# Altium PCB FlatSat.PcbDoc (part 9 of 12)
Units mil, origin at the board's own origin, x right, y up, seen from the top; angles counter-clockwise.
Board outline 4682 x 22047 mil, 4 copper layers (Top Layer, STR GND 1, STR GND 2, Bottom Layer), stack 33.434 mil thick; 381 components, 345 nets, 1605 pads, 1915 vias.
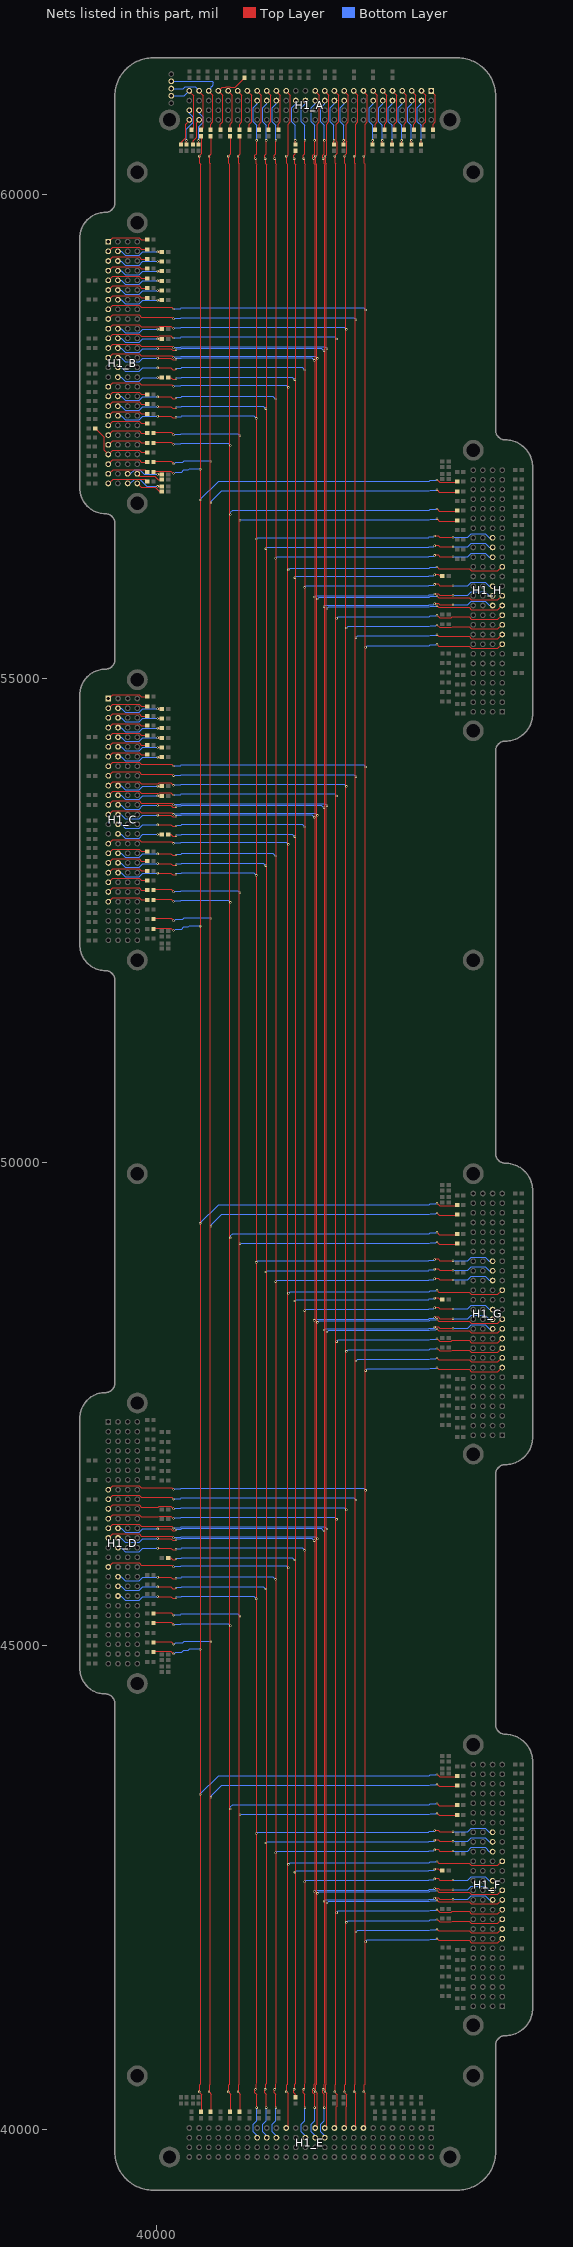
[diagram p11: the nets of this part, all layers, seen from the top]

## Via types
v1: diameter 24, hole 8, Top Layer to Bottom Layer, 1915 vias

## Nets (pads, with @x,y where several pads share a name; then routed paths per layer and width w, separated by ;. In a path a pad name is that pad's centre, name@x,y a point inside that pad or via, vN(x,y) a via of type N, cw(c..) or ccw(c..) an arc to the next point about the centre after c; other vN are vias at no path point) (continued)
GPIO_RESERVE_3: H1_A.31 H1_B.31 H1_C.31 H1_D.31 H1_E.31 H1_F.31 H1_G.31 H1_H.31 | length 33612.7
  Top Layer w8: H1_D.31@39500.48,45812 39543.01,45854.53 39818.1,45854.53 39840.62,45832 40156,45832 v1(40173,45815) ; H1_C.31@39500.48,53292 39543.01,53334.53 39818.1,53334.53 39840.62,53312 40156,53312 v1(40173,53295) ; H1_B.31@39500.48,58017 39542.01,58058.53 39819.1,58058.53 39840.62,58037 40156,58037 v1(40173,58020) ; H1_E.31@41337,40012 41357,40032 41357,40369 v1(41340,40386) 41340,40395 41345,40400 41345,40458.78 41352,40465.78 41352,60321.22 41345,60328.22 41345,60387 41340,60392 v1(41340,60401) 41357,60418 41357,60733.38 41378.53,60754.9 41378.53,61031.99 H1_A.31@41337,61073.52 ; v1(42898,42768) 42915,42751 43230.38,42751 43252.9,42728.47 43527.99,42728.47 H1_F.31@43570.52,42771 ; v1(42898,48673) 42915,48656 43230.38,48656 43252.9,48633.47 43527.99,48633.47 H1_G.31@43570.52,48676 ; v1(42898,56153) 42915,56136 43230.38,56136 43252.9,56113.47 43527.99,56113.47 H1_H.31@43570.52,56156
  Bottom Layer w8: v1(40173,45815) 40182,45815 40187,45820 40245.78,45820 40252.78,45827 41338,45827 v1(41360,45805) ; v1(40173,53295) 40182,53295 40187,53300 40245.78,53300 40252.78,53307 41338,53307 v1(41360,53285) ; v1(40173,58020) 40182,58020 40187,58025 40245.78,58025 40252.78,58032 41338,58032 v1(41360,58010) ; v1(41360,42738) 41378,42756 42818.22,42756 42825.22,42763 42884,42763 42889,42768 v1(42898,42768) ; v1(41360,48643) 41378,48661 42818.22,48661 42825.22,48668 42884,48668 42889,48673 v1(42898,48673) ; v1(41360,56123) 41378,56141 42818.22,56141 42825.22,56148 42884,56148 42889,56153 v1(42898,56153)
GPIO_RESERVE_4: H1_A.24 H1_B.24 H1_C.24 H1_D.24 H1_E.24 H1_F.24 H1_G.24 H1_H.24 | length 33123.8
  Top Layer w8: v1(40009,46207) 40146,46207 40163,46190 40193,46190 v1(40198,46195) ; v1(40009,53687) 40146,53687 40163,53670 40193,53670 v1(40198,53675) ; v1(40009,58412) 40146,58412 40163,58395 40193,58395 v1(40198,58400) ; v1(41732,40222) 41732,40359 41715,40376 41715,40406 v1(41720,40411) 41729,40420 41729,40465.41 41736,40472.41 41736,60314.59 41729,60321.59 41729,60367 v1(41720,60376) 41715,60381 41715,60411 41732,60428 v1(41732,60565) ; v1(42873,42388) 42878,42393 42908,42393 42925,42376 v1(43062,42376) ; v1(42873,48293) 42878,48298 42908,48298 42925,48281 v1(43062,48281) ; v1(42873,55773) 42878,55778 42908,55778 42925,55761 v1(43062,55761)
  Bottom Layer w8: H1_D.24@39598,46212 39631,46212 39672.47,46170.53 39818.53,46170.53 39855,46207 v1(40009,46207) ; H1_C.24@39598,53692 39631,53692 39672.47,53650.53 39818.53,53650.53 39855,53687 v1(40009,53687) ; H1_B.24@39598,58417 39631,58417 39673,58375 39818,58375 39855,58412 v1(40009,58412) ; v1(40198,46195) 40207,46204 40252.41,46204 40259.41,46211 41702,46211 v1(41728,46185) ; v1(40198,53675) 40207,53684 40252.41,53684 40259.41,53691 41702,53691 v1(41728,53665) ; v1(40198,58400) 40207,58409 40252.41,58409 40259.41,58416 41702,58416 v1(41728,58390) ; v1(41728,42358) 41742,42372 42811.59,42372 42818.59,42379 42864,42379 v1(42873,42388) ; v1(41728,48263) 41742,48277 42811.59,48277 42818.59,48284 42864,48284 v1(42873,48293) ; v1(41728,55743) 41742,55757 42811.59,55757 42818.59,55764 42864,55764 v1(42873,55773) ; v1(41732,40222) 41732,40089 41695.47,40052.47 41695.47,39972.53 41737,39931 H1_E.24@41737,39912 ; v1(41732,60565) 41732,60719 41695,60756 41695,60901 41737,60943 H1_A.24@41737,60976 ; v1(43062,42376) 43216,42376 43252.47,42412.47 43398.53,42412.47 43440,42371 H1_F.24@43473,42371 ; v1(43062,48281) 43216,48281 43252.47,48317.47 43398.53,48317.47 43440,48276 H1_G.24@43473,48276 ; v1(43062,55761) 43216,55761 43252.47,55797.47 43398.53,55797.47 43440,55756 H1_H.24@43473,55756
GPIO_RESERVE_5: H1_A.26 H1_B.26 H1_C.26 H1_D.26 H1_E.26 H1_F.26 H1_G.26 H1_H.26 | length 33123.8
  Top Layer w8: v1(40009,46107) 40146,46107 40163,46090 40193,46090 v1(40198,46095) ; v1(40009,53587) 40146,53587 40163,53570 40193,53570 v1(40198,53575) ; v1(40009,58312) 40146,58312 40163,58295 40193,58295 v1(40198,58300) ; v1(41632,40222) 41632,40359 41615,40376 41615,40406 v1(41620,40411) 41629,40420 41629,40465.41 41636,40472.41 41636,60314.59 41629,60321.59 41629,60367 v1(41620,60376) 41615,60381 41615,60411 41632,60428 v1(41632,60565) ; v1(42873,42488) 42878,42493 42908,42493 42925,42476 v1(43062,42476) ; v1(42873,48393) 42878,48398 42908,48398 42925,48381 v1(43062,48381) ; v1(42873,55873) 42878,55878 42908,55878 42925,55861 v1(43062,55861)
  Bottom Layer w8: H1_D.26@39598,46112 39631,46112 39672.47,46070.53 39818.53,46070.53 39855,46107 v1(40009,46107) ; H1_C.26@39598,53592 39631,53592 39672.47,53550.53 39818.53,53550.53 39855,53587 v1(40009,53587) ; H1_B.26@39598,58317 39631,58317 39673,58275 39818,58275 39855,58312 v1(40009,58312) ; v1(40198,46095) 40207,46104 40252.41,46104 40259.41,46111 41602,46111 v1(41628,46085) ; v1(40198,53575) 40207,53584 40252.41,53584 40259.41,53591 41602,53591 v1(41628,53565) ; v1(40198,58300) 40207,58309 40252.41,58309 40259.41,58316 41602,58316 v1(41628,58290) ; v1(41628,42458) 41642,42472 42811.59,42472 42818.59,42479 42864,42479 v1(42873,42488) ; v1(41628,48363) 41642,48377 42811.59,48377 42818.59,48384 42864,48384 v1(42873,48393) ; v1(41628,55843) 41642,55857 42811.59,55857 42818.59,55864 42864,55864 v1(42873,55873) ; v1(41632,40222) 41632,40089 41595.47,40052.47 41595.47,39972.53 41637,39931 H1_E.26@41637,39912 ; v1(41632,60565) 41632,60719 41595,60756 41595,60901 41637,60943 H1_A.26@41637,60976 ; v1(43062,42476) 43216,42476 43252.47,42512.47 43398.53,42512.47 43440,42471 H1_F.26@43473,42471 ; v1(43062,48381) 43216,48381 43252.47,48417.47 43398.53,48417.47 43440,48376 H1_G.26@43473,48376 ; v1(43062,55861) 43216,55861 43252.47,55897.47 43398.53,55897.47 43440,55856 H1_H.26@43473,55856
GPIO_RESERVE_6: H1_A.28 H1_B.28 H1_C.28 H1_D.28 H1_E.28 H1_F.28 H1_G.28 H1_H.28 | length 33123.8
  Top Layer w8: v1(40009,46007) 40146,46007 40163,45990 40193,45990 v1(40198,45995) ; v1(40009,53487) 40146,53487 40163,53470 40193,53470 v1(40198,53475) ; v1(40009,58212) 40146,58212 40163,58195 40193,58195 v1(40198,58200) ; v1(41532,40222) 41532,40359 41515,40376 41515,40406 v1(41520,40411) 41529,40420 41529,40465.41 41536,40472.41 41536,60314.59 41529,60321.59 41529,60367 v1(41520,60376) 41515,60381 41515,60411 41532,60428 v1(41532,60565) ; v1(42873,42588) 42878,42593 42908,42593 42925,42576 v1(43062,42576) ; v1(42873,48493) 42878,48498 42908,48498 42925,48481 v1(43062,48481) ; v1(42873,55973) 42878,55978 42908,55978 42925,55961 v1(43062,55961)
  Bottom Layer w8: H1_D.28@39598,46012 39631,46012 39672.47,45970.53 39818.53,45970.53 39855,46007 v1(40009,46007) ; H1_C.28@39598,53492 39631,53492 39672.47,53450.53 39818.53,53450.53 39855,53487 v1(40009,53487) ; H1_B.28@39598,58217 39631,58217 39673,58175 39818,58175 39855,58212 v1(40009,58212) ; v1(40198,45995) 40207,46004 40252.41,46004 40259.41,46011 41502,46011 v1(41528,45985) ; v1(40198,53475) 40207,53484 40252.41,53484 40259.41,53491 41502,53491 v1(41528,53465) ; v1(40198,58200) 40207,58209 40252.41,58209 40259.41,58216 41502,58216 v1(41528,58190) ; v1(41528,42558) 41542,42572 42811.59,42572 42818.59,42579 42864,42579 v1(42873,42588) ; v1(41528,48463) 41542,48477 42811.59,48477 42818.59,48484 42864,48484 v1(42873,48493) ; v1(41528,55943) 41542,55957 42811.59,55957 42818.59,55964 42864,55964 v1(42873,55973) ; v1(41532,40222) 41532,40089 41495.47,40052.47 41495.47,39972.53 41537,39931 H1_E.28@41537,39912 ; v1(41532,60565) 41532,60719 41495,60756 41495,60901 41537,60943 H1_A.28@41537,60976 ; v1(43062,42576) 43216,42576 43252.47,42612.47 43398.53,42612.47 43440,42571 H1_F.28@43473,42571 ; v1(43062,48481) 43216,48481 43252.47,48517.47 43398.53,48517.47 43440,48476 H1_G.28@43473,48476 ; v1(43062,55961) 43216,55961 43252.47,55997.47 43398.53,55997.47 43440,55956 H1_H.28@43473,55956
GPIO_RESERVE_7: H1_A.34 H1_B.34 H1_C.34 H1_D.34 H1_E.34 H1_F.34 H1_G.34 H1_H.34 | length 33125.1
  Top Layer w8: v1(40009,45707) 40146,45707 40163,45690 40193,45690 v1(40198,45695) ; v1(40009,53187) 40146,53187 40163,53170 40193,53170 v1(40198,53175) ; v1(40009,57912) 40146,57912 40163,57895 40193,57895 v1(40198,57900) ; v1(41232,40222) 41232,40359 41215,40376 41215,40406 v1(41220,40411) 41229,40420 41229,40465.41 41236,40472.41 41236,56323 41236.01,57900.05 41236,60314.57 ; v1(41232,60565) 41232,60428 41215,60411 41215,60381 v1(41220,60376) 41229,60367 41229,60321.59 41236.01,60314.58 ; v1(42873,42888) 42878,42893 42908,42893 42925,42876 v1(43062,42876) ; v1(42873,48793) 42878,48798 42908,48798 42925,48781 v1(43062,48781) ; v1(42873,56273) 42878,56278 42908,56278 42925,56261 v1(43062,56261)
  Bottom Layer w8: H1_D.34@39598,45712 39631,45712 39672.47,45670.53 39818.53,45670.53 39855,45707 v1(40009,45707) ; H1_C.34@39598,53192 39631,53192 39672.47,53150.53 39818.53,53150.53 39855,53187 v1(40009,53187) ; H1_B.34@39598,57917 39631,57917 39673,57875 39818,57875 39855,57912 v1(40009,57912) ; v1(40198,45695) 40207,45704 40252.41,45704 40259.41,45711 41201,45711 v1@41228,45684 ; v1(40198,53175) 40207,53184 40252.41,53184 40259.41,53191 41201,53191 v1@41228,53164 ; v1(40198,57900) 40207,57909 40252.41,57909 40259.41,57916 41201,57916 v1@41228,57889 ; v1(41228,42858) 41242,42872 42811.59,42872 42818.59,42879 42864,42879 v1(42873,42888) ; v1(41228,48763) 41242,48777 42811.59,48777 42818.59,48784 42864,48784 v1(42873,48793) ; v1(41228,56243) 41242,56257 42811.59,56257 42818.59,56264 42864,56264 v1(42873,56273) ; v1(41232,40222) 41232,40089 41195.47,40052.47 41195.47,39972.53 41237,39931 H1_E.34@41237,39912 ; v1(41232,60565) 41232,60719 41195,60756 41195,60901 41237,60943 H1_A.34@41237,60976 ; v1(43062,42876) 43216,42876 43252.47,42912.47 43398.53,42912.47 43440,42871 H1_F.34@43473,42871 ; v1(43062,48781) 43216,48781 43252.47,48817.47 43398.53,48817.47 43440,48776 H1_G.34@43473,48776 ; v1(43062,56261) 43216,56261 43252.47,56297.47 43398.53,56297.47 43440,56256 H1_H.34@43473,56256
  other v1: 41228,45685 41228,53165 41228,57890
GPIO_RESERVE_8: H1_A.36 H1_B.36 H1_C.36 H1_D.36 H1_E.36 H1_F.36 H1_G.36 H1_H.36 | length 33123.8
  Top Layer w8: v1(40009,45607) 40146,45607 40163,45590 40193,45590 v1(40198,45595) ; v1(40009,53087) 40146,53087 40163,53070 40193,53070 v1(40198,53075) ; v1(40009,57812) 40146,57812 40163,57795 40193,57795 v1(40198,57800) ; v1(41132,40222) 41132,40359 41115,40376 41115,40406 v1(41120,40411) 41129,40420 41129,40465.41 41136,40472.41 41136,60314.59 41129,60321.59 41129,60367 v1(41120,60376) 41115,60381 41115,60411 41132,60428 v1(41132,60565) ; v1(42873,42988) 42878,42993 42908,42993 42925,42976 v1(43062,42976) ; v1(42873,48893) 42878,48898 42908,48898 42925,48881 v1(43062,48881) ; v1(42873,56373) 42878,56378 42908,56378 42925,56361 v1(43062,56361)
  Bottom Layer w8: H1_D.36@39598,45612 39631,45612 39672.47,45570.53 39818.53,45570.53 39855,45607 v1(40009,45607) ; H1_C.36@39598,53092 39631,53092 39672.47,53050.53 39818.53,53050.53 39855,53087 v1(40009,53087) ; H1_B.36@39598,57817 39631,57817 39673,57775 39818,57775 39855,57812 v1(40009,57812) ; v1(40198,45595) 40207,45604 40252.41,45604 40259.41,45611 41102,45611 v1(41128,45585) ; v1(40198,53075) 40207,53084 40252.41,53084 40259.41,53091 41102,53091 v1(41128,53065) ; v1(40198,57800) 40207,57809 40252.41,57809 40259.41,57816 41102,57816 v1(41128,57790) ; v1(41128,42958) 41142,42972 42811.59,42972 42818.59,42979 42864,42979 v1(42873,42988) ; v1(41128,48863) 41142,48877 42811.59,48877 42818.59,48884 42864,48884 v1(42873,48893) ; v1(41128,56343) 41142,56357 42811.59,56357 42818.59,56364 42864,56364 v1(42873,56373) ; v1(41132,40222) 41132,40089 41095.47,40052.47 41095.47,39972.53 41137,39931 H1_E.36@41137,39912 ; v1(41132,60565) 41132,60719 41095,60756 41095,60901 41137,60943 H1_A.36@41137,60976 ; v1(43062,42976) 43216,42976 43252.47,43012.47 43398.53,43012.47 43440,42971 H1_F.36@43473,42971 ; v1(43062,48881) 43216,48881 43252.47,48917.47 43398.53,48917.47 43440,48876 H1_G.36@43473,48876 ; v1(43062,56361) 43216,56361 43252.47,56397.47 43398.53,56397.47 43440,56356 H1_H.36@43473,56356
GPIO_RESERVE_9: H1_A.38 H1_B.38 H1_C.38 H1_D.38 H1_E.38 H1_F.38 H1_G.38 H1_H.38 | length 33123.8
  Top Layer w8: v1(40009,45507) 40146,45507 40163,45490 40193,45490 v1(40198,45495) ; v1(40009,52987) 40146,52987 40163,52970 40193,52970 v1(40198,52975) ; v1(40009,57712) 40146,57712 40163,57695 40193,57695 v1(40198,57700) ; v1(41032,40222) 41032,40359 41015,40376 41015,40406 v1(41020,40411) 41029,40420 41029,40465.41 41036,40472.41 41036,60314.59 41029,60321.59 41029,60367 v1(41020,60376) 41015,60381 41015,60411 41032,60428 v1(41032,60565) ; v1(42873,43088) 42878,43093 42908,43093 42925,43076 v1(43062,43076) ; v1(42873,48993) 42878,48998 42908,48998 42925,48981 v1(43062,48981) ; v1(42873,56473) 42878,56478 42908,56478 42925,56461 v1(43062,56461)
  Bottom Layer w8: H1_D.38@39598,45512 39631,45512 39672.47,45470.53 39818.53,45470.53 39855,45507 v1(40009,45507) ; H1_C.38@39598,52992 39631,52992 39672.47,52950.53 39818.53,52950.53 39855,52987 v1(40009,52987) ; H1_B.38@39598,57717 39631,57717 39673,57675 39818,57675 39855,57712 v1(40009,57712) ; v1(40198,45495) 40207,45504 40252.41,45504 40259.41,45511 41002,45511 v1(41028,45485) ; v1(40198,52975) 40207,52984 40252.41,52984 40259.41,52991 41002,52991 v1(41028,52965) ; v1(40198,57700) 40207,57709 40252.41,57709 40259.41,57716 41002,57716 v1(41028,57690) ; v1(41028,43058) 41042,43072 42811.59,43072 42818.59,43079 42864,43079 v1(42873,43088) ; v1(41028,48963) 41042,48977 42811.59,48977 42818.59,48984 42864,48984 v1(42873,48993) ; v1(41028,56443) 41042,56457 42811.59,56457 42818.59,56464 42864,56464 v1(42873,56473) ; v1(41032,40222) 41032,40089 40995.47,40052.47 40995.47,39972.53 41037,39931 H1_E.38@41037,39912 ; v1(41032,60565) 41032,60719 40995,60756 40995,60901 41037,60943 H1_A.38@41037,60976 ; v1(43062,43076) 43216,43076 43252.47,43112.47 43398.53,43112.47 43440,43071 H1_F.38@43473,43071 ; v1(43062,48981) 43216,48981 43252.47,49017.47 43398.53,49017.47 43440,48976 H1_G.38@43473,48976 ; v1(43062,56461) 43216,56461 43252.47,56497.47 43398.53,56497.47 43440,56456 H1_H.38@43473,56456
GPIO_RESERVE_10: H1_A.15 H1_B.15 H1_C.15 H1_D.15 H1_E.15 H1_F.15 H1_G.15 H1_H.15 | length 33613.5
  Top Layer w8: H1_D.15@39500.48,46612 39543.01,46654.53 39818.1,46654.53 39840.62,46632 40156,46632 v1(40173,46615) ; H1_C.15@39500.48,54092 39543.01,54134.53 39818.1,54134.53 39840.62,54112 40156,54112 v1(40173,54095) ; H1_B.15@39500.48,58817 39542.01,58858.53 39819.1,58858.53 39840.62,58837 40156,58837 v1(40173,58820) ; H1_E.15@42137,40012 42157,40032 42157,40369 v1(42140,40386) 42140,40395 42145,40400 42145,40458.78 42153,40466.78 42153,60320.22 42145,60328.22 42145,60387 42140,60392 v1(42140,60401) 42157,60418 42157,60733.38 42178.53,60754.9 42178.53,61031.99 H1_A.15@42137,61073.52 ; v1(42898,41968) 42915,41951 43230.38,41951 43252.9,41928.47 43527.99,41928.47 H1_F.15@43570.52,41971 ; v1(42898,47873) 42915,47856 43230.38,47856 43252.9,47833.47 43527.99,47833.47 H1_G.15@43570.52,47876 ; v1(42898,55353) 42915,55336 43230.38,55336 43252.9,55313.47 43527.99,55313.47 H1_H.15@43570.52,55356
  Bottom Layer w8: v1(40173,46615) 40182,46615 40187,46620 40245.78,46620 40252.78,46627 42138,46627 v1(42160,46605) ; v1(40173,54095) 40182,54095 40187,54100 40245.78,54100 40252.78,54107 42138,54107 v1(42160,54085) ; v1(40173,58820) 40182,58820 40187,58825 40245.78,58825 40252.78,58832 42138,58832 v1(42160,58810) ; v1(42160,41938) 42178,41956 42818.22,41956 42825.22,41963 42884,41963 42889,41968 v1(42898,41968) ; v1(42160,47843) 42178,47861 42818.22,47861 42825.22,47868 42884,47868 42889,47873 v1(42898,47873) ; v1(42160,55323) 42178,55341 42818.22,55341 42825.22,55348 42884,55348 42889,55353 v1(42898,55353)
GPIO_RESERVE_11: H1_A.17 H1_B.17 H1_C.17 H1_D.17 H1_E.17 H1_F.17 H1_G.17 H1_H.17 | length 33668.4
  Top Layer w8: H1_D.17@39500.48,46512 39543.01,46554.53 39818.1,46554.53 39840.62,46532 40156,46532 v1(40173,46515) v1@40182,46515 ; H1_C.17@39500.48,53992 39543.01,54034.53 39818.1,54034.53 39840.62,54012 40156,54012 v1(40173,53995) v1@40182,53995 ; H1_B.17@39500.48,58717 39543.01,58759.53 39818.1,58759.53 39840.62,58737 40156,58737 v1(40173,58720) v1@40182,58720 ; H1_E.17@42037,40012 42057,40032 42057,40369 v1(42040,40386) 42040,40395 42045,40400 42045,40458.78 42052,40465.78 42052,60321.22 42045,60328.22 42045,60387 42040,60392 v1(42040,60401) 42057,60418 42057,60733.38 42079.53,60755.9 42079.53,61030.99 H1_A.17@42037,61073.52 ; v1@42889,42068 v1(42898,42068) 42915,42051 43230.38,42051 43252.9,42028.47 43527.99,42028.47 H1_F.17@43570.52,42071 ; v1@42889,47973 v1(42898,47973) 42915,47956 43230.38,47956 43252.9,47933.47 43527.99,47933.47 H1_G.17@43570.52,47976 ; v1@42889,55453 v1(42898,55453) 42915,55436 43230.38,55436 43252.9,55413.47 43527.99,55413.47 H1_H.17@43570.52,55456
  Bottom Layer w8: v1(40173,46515) 40182,46515 40187,46520 40245.78,46520 40252.78,46527 42038,46527 v1(42060,46505) ; v1(40173,53995) 40182,53995 40187,54000 40245.78,54000 40252.78,54007 42038,54007 v1(42060,53985) ; v1(40173,58720) 40182,58720 40187,58725 40245.78,58725 40252.78,58732 42038,58732 v1(42060,58710) ; v1(42060,42038) 42078,42056 42818.22,42056 42825.22,42063 42884,42063 42889,42068 v1(42898,42068) ; v1(42060,47943) 42078,47961 42818.22,47961 42825.22,47968 42884,47968 42889,47973 v1(42898,47973) ; v1(42060,55423) 42078,55441 42818.22,55441 42825.22,55448 42884,55448 42889,55453 v1(42898,55453)
GPIO_RESERVE_12: H1_A.19 H1_B.19 H1_C.19 H1_D.19 H1_E.19 H1_F.19 H1_G.19 H1_H.19 | length 33719.2
  Top Layer w8: H1_D.19@39500.48,46412 39543.01,46454.53 39818.1,46454.53 39840.62,46432 40017.24,46432 40024.91,46439.67 40145.09,46439.67 40169.76,46415 v1(40173,46415) v1@40182,46415 ; H1_C.19@39500.48,53892 39543.01,53934.53 39818.1,53934.53 39840.62,53912 40017.24,53912 40024.91,53919.67 40145.09,53919.67 40169.76,53895 v1(40173,53895) v1@40182,53895 ; H1_B.19@39500.48,58617 39543.01,58659.53 39818.1,58659.53 39840.62,58637 40017.24,58637 40024.91,58644.67 40145.09,58644.67 40169.76,58620 v1(40173,58620) v1@40182,58620 ; H1_E.19@41937,40012 41957,40032 41957,40230.24 41964.67,40237.91 41964.67,40358.09 41940,40382.76 v1(41940,40386) 41940,40395 41945,40400 41945,40458.78 41952,40465.78 41952,60321.22 41945,60328.22 41945,60387 41940,60392 v1(41940,60401) 41940,60404.24 41964.67,60428.91 41964.67,60549.09 41957,60556.76 41957,60733.38 41979.53,60755.9 41979.53,61030.99 H1_A.19@41937,61073.52 ; v1@42889,42168 v1(42898,42168) 42901.24,42168 42925.91,42143.33 43046.09,42143.33 43053.76,42151 43230.38,42151 43252.9,42128.47 43527.99,42128.47 H1_F.19@43570.52,42171 ; v1@42889,48073 v1(42898,48073) 42901.24,48073 42925.91,48048.33 43046.09,48048.33 43053.76,48056 43230.38,48056 43252.9,48033.47 43527.99,48033.47 H1_G.19@43570.52,48076 ; v1@42889,55553 v1(42898,55553) 42901.24,55553 42925.91,55528.33 43046.09,55528.33 43053.76,55536 43230.38,55536 43252.9,55513.47 43527.99,55513.47 H1_H.19@43570.52,55556
  Bottom Layer w8: v1(40173,46415) 40182,46415 40187,46420 40245.78,46420 40252.78,46427 41938,46427 v1(41960,46405) ; v1(40173,53895) 40182,53895 40187,53900 40245.78,53900 40252.78,53907 41938,53907 v1(41960,53885) ; v1(40173,58620) 40182,58620 40187,58625 40245.78,58625 40252.78,58632 41938,58632 v1(41960,58610) ; v1(41960,42138) 41978,42156 42818.22,42156 42825.22,42163 42884,42163 42889,42168 v1(42898,42168) ; v1(41960,48043) 41978,48061 42818.22,48061 42825.22,48068 42884,48068 42889,48073 v1(42898,48073) ; v1(41960,55523) 41978,55541 42818.22,55541 42825.22,55548 42884,55548 42889,55553 v1(42898,55553)
GPIO_RESERVE_13: H1_A.21 H1_B.21 H1_C.21 H1_D.21 H1_E.21 H1_F.21 H1_G.21 H1_H.21 | length 33665.2
  Top Layer w8: H1_D.21@39500.48,46312 39543.01,46354.53 39818.1,46354.53 39840.62,46332 40017.24,46332 40024.91,46339.67 40145.09,46339.67 40169.76,46315 v1(40173,46315) ; H1_C.21@39500.48,53792 39543.01,53834.53 39818.1,53834.53 39840.62,53812 40017.24,53812 40024.91,53819.67 40145.09,53819.67 40169.76,53795 v1(40173,53795) ; H1_B.21@39500.48,58517 39543.01,58559.53 39818.1,58559.53 39840.62,58537 40017.24,58537 40024.91,58544.67 40145.09,58544.67 40169.76,58520 v1(40173,58520) ; H1_E.21@41837,40012 41857,40032 41857,40230.24 41864.67,40237.91 41864.67,40358.09 41840,40382.76 v1(41840,40386) 41840,40395 41845,40400 41845,40458.78 41852,40465.78 41852,60321.22 41845,60328.22 41845,60387 41840,60392 v1(41840,60401) 41840,60404.24 41864.67,60428.91 41864.67,60549.09 41857,60556.76 41857,60733.38 41879.53,60755.9 41879.53,61030.99 H1_A.21@41837,61073.52 ; v1(42898,42268) 42901.24,42268 42925.91,42243.33 43046.09,42243.33 43053.76,42251 43230.38,42251 43252.9,42228.47 43527.99,42228.47 H1_F.21@43570.52,42271 ; v1(42898,48173) 42901.24,48173 42925.91,48148.33 43046.09,48148.33 43053.76,48156 43230.38,48156 43252.9,48133.47 43527.99,48133.47 H1_G.21@43570.52,48176 ; v1(42898,55653) 42901.24,55653 42925.91,55628.33 43046.09,55628.33 43053.76,55636 43230.38,55636 43252.9,55613.47 43527.99,55613.47 H1_H.21@43570.52,55656
  Bottom Layer w8: v1(40173,46315) 40182,46315 40187,46320 40245.78,46320 40252.78,46327 41838,46327 v1(41860,46305) ; v1(40173,53795) 40182,53795 40187,53800 40245.78,53800 40252.78,53807 41838,53807 v1(41860,53785) ; v1(40173,58520) 40182,58520 40187,58525 40245.78,58525 40252.78,58532 41838,58532 v1(41860,58510) ; v1(41860,42238) 41878,42256 42818.22,42256 42825.22,42263 42884,42263 42889,42268 v1(42898,42268) ; v1(41860,48143) 41878,48161 42818.22,48161 42825.22,48168 42884,48168 42889,48173 v1(42898,48173) ; v1(41860,55623) 41878,55641 42818.22,55641 42825.22,55648 42884,55648 42889,55653 v1(42898,55653)
GPIO_RESERVE_14: H1_A.23 H1_B.23 H1_C.23 H1_D.23 H1_E.23 H1_F.23 H1_G.23 H1_H.23 | length 33612.7
  Top Layer w8: H1_D.23@39500.48,46212 39543.01,46254.53 39818.1,46254.53 39840.62,46232 40156,46232 v1(40173,46215) ; H1_C.23@39500.48,53692 39543.01,53734.53 39818.1,53734.53 39840.62,53712 40156,53712 v1(40173,53695) ; H1_B.23@39500.48,58417 39542.01,58458.53 39819.1,58458.53 39840.62,58437 40156,58437 v1(40173,58420) ; H1_E.23@41737,40012 41757,40032 41757,40369 v1(41740,40386) 41740,40395 41745,40400 41745,40458.78 41752,40465.78 41752,60321.22 41745,60328.22 41745,60387 41740,60392 v1(41740,60401) 41757,60418 41757,60733.38 41778.53,60754.9 41778.53,61031.99 H1_A.23@41737,61073.52 ; v1(42898,42368) 42915,42351 43230.38,42351 43252.9,42328.47 43527.99,42328.47 H1_F.23@43570.52,42371 ; v1(42898,48273) 42915,48256 43230.38,48256 43252.9,48233.47 43527.99,48233.47 H1_G.23@43570.52,48276 ; v1(42898,55753) 42915,55736 43230.38,55736 43252.9,55713.47 43527.99,55713.47 H1_H.23@43570.52,55756
  Bottom Layer w8: v1(40173,46215) 40182,46215 40187,46220 40245.78,46220 40252.78,46227 41738,46227 v1(41760,46205) ; v1(40173,53695) 40182,53695 40187,53700 40245.78,53700 40252.78,53707 41738,53707 v1(41760,53685) ; v1(40173,58420) 40182,58420 40187,58425 40245.78,58425 40252.78,58432 41738,58432 v1(41760,58410) ; v1(41760,42338) 41778,42356 42818.22,42356 42825.22,42363 42884,42363 42889,42368 v1(42898,42368) ; v1(41760,48243) 41778,48261 42818.22,48261 42825.22,48268 42884,48268 42889,48273 v1(42898,48273) ; v1(41760,55723) 41778,55741 42818.22,55741 42825.22,55748 42884,55748 42889,55753 v1(42898,55753)
GPIO_RESERVE_15: H1_A.25 H1_B.25 H1_C.25 H1_D.25 H1_E.25 H1_F.25 H1_G.25 H1_H.25 | length 33614.4
  Top Layer w8: H1_D.25@39500.48,46112 39543.01,46154.53 39818.1,46154.53 39840.62,46132 40156,46132 v1(40173,46115) ; H1_C.25@39500.48,53592 39543.01,53634.53 39818.1,53634.53 39840.62,53612 40156,53612 v1(40173,53595) ; H1_B.25@39500.48,58317 39543.01,58359.53 39818.1,58359.53 39840.62,58337 40156,58337 v1(40173,58320) ; H1_E.25@41637,40012 41657,40032 41657,40369 v1(41640,40386) 41640,40395 41645,40400 41645,40458.78 41652,40465.78 41652,60321.22 41645,60328.22 41645,60387 41640,60392 v1(41640,60401) 41657,60418 41657,60733.38 41679.53,60755.9 41679.53,61030.99 H1_A.25@41637,61073.52 ; v1(42898,42468) 42915,42451 43230.38,42451 43252.9,42428.47 43527.99,42428.47 H1_F.25@43570.52,42471 ; v1(42898,48373) 42915,48356 43230.38,48356 43252.9,48333.47 43527.99,48333.47 H1_G.25@43570.52,48376 ; v1(42898,55853) 42915,55836 43230.38,55836 43252.9,55813.47 43527.99,55813.47 H1_H.25@43570.52,55856
  Bottom Layer w8: v1(40173,46115) 40182,46115 40187,46120 40245.78,46120 40252.78,46127 41638,46127 v1(41660,46105) ; v1(40173,53595) 40182,53595 40187,53600 40245.78,53600 40252.78,53607 41638,53607 v1(41660,53585) ; v1(40173,58320) 40182,58320 40187,58325 40245.78,58325 40252.78,58332 41638,58332 v1(41660,58310) ; v1(41660,42438) 41678,42456 42818.22,42456 42825.22,42463 42884,42463 42889,42468 v1(42898,42468) ; v1(41660,48343) 41678,48361 42818.22,48361 42825.22,48368 42884,48368 42889,48373 v1(42898,48373) ; v1(41660,55823) 41678,55841 42818.22,55841 42825.22,55848 42884,55848 42889,55853 v1(42898,55853)
HCU: R30_A.2 R30_B.2 R30_C.2 R30_D.2 R30_E.2 R30_F.2 R30_G.2 R30_H.2 | length 28812.4
  Top Layer w8: R30_D.2@40117.15,45907 R30_D.2@40117.48,45907 40146,45907 40163,45890 40193,45890 v1(40198,45895) ; R30_C.2@40117.15,53387 R30_C.2@40117.48,53387 40146,53387 40163,53370 40193,53370 v1(40198,53375) ; R30_B.2@40117.15,58112 R30_B.2@40117.48,58112 40146,58112 40163,58095 40193,58095 v1(40198,58100) ; R30_E.2@41432,40330.15 R30_E.2@41432,40330.48 41432,40359 41415,40376 41415,40406 v1(41420,40411) 41429,40420 41429,40465.41 41436,40472.41 41436,60314.59 41429,60321.59 41429,60367 v1(41420,60376) 41415,60381 41415,60411 41432,60428 R30_A.2@41432,60456.52 R30_A.2@41432,60456.85 ; v1(42873,42688) 42878,42693 42908,42693 42925,42676 R30_F.2@42953.52,42676 R30_F.2@42953.85,42676 ; v1(42873,48593) 42878,48598 42908,48598 42925,48581 R30_G.2@42953.52,48581 R30_G.2@42953.85,48581 ; v1(42873,56073) 42878,56078 42908,56078 42925,56061 R30_H.2@42953.52,56061 R30_H.2@42953.85,56061
  Bottom Layer w8: v1(40198,45895) 40207,45904 40252.41,45904 40259.41,45911 41402,45911 v1(41428,45885) ; v1(40198,53375) 40207,53384 40252.41,53384 40259.41,53391 41402,53391 v1(41428,53365) ; v1(40198,58100) 40207,58109 40252.41,58109 40259.41,58116 41402,58116 v1(41428,58090) ; v1(41428,42658) 41442,42672 42811.59,42672 42818.59,42679 42864,42679 v1(42873,42688) ; v1(41428,48563) 41442,48577 42811.59,48577 42818.59,48584 42864,48584 v1(42873,48593) ; v1(41428,56043) 41442,56057 42811.59,56057 42818.59,56064 42864,56064 v1(42873,56073)
I2C_CLK: R43_A.1 R43_B.1 R43_C.1 R43_D.1 R43_E.1 R43_F.1 R43_G.1 R43_H.1 | length 30148.4
  Top Layer w8: R43_D.1@39965.48,45232 39965.48,45239.67 40148.33,45239.67 v1(40173,45215) ; R43_C.1@39965.48,52712 39965.48,52719.67 40148.33,52719.67 v1(40173,52695) ; R43_B.1@39965.48,57437 39965.48,57444.67 40148.33,57444.67 v1(40173,57420) ; R43_E.1@40757,40178.48 40764.67,40178.48 40764.67,40361.33 v1(40740,40386) 40740,40395 40745,40400 40745,40458.78 40752,40465.78 40752,60321.22 40745,60328.22 40745,60387 40740,60392 v1(40740,60401) 40764.67,60425.67 40764.67,60608.52 R43_A.1@40757,60608.52 ; v1(42898,43368) 42922.67,43343.33 43105.52,43343.33 R43_F.1@43105.52,43351 ; v1(42898,49273) 42922.67,49248.33 43105.52,49248.33 R43_G.1@43105.52,49256 ; v1(42898,56753) 42922.67,56728.33 43105.52,56728.33 R43_H.1@43105.52,56736
  Bottom Layer w8: v1(40173,45215) 40182,45215 40187,45220 40245.78,45220 40252.78,45227 40738,45227 v1(40760,45205) ; v1(40173,52695) 40182,52695 40187,52700 40245.78,52700 40252.78,52707 40738,52707 v1(40760,52685) ; v1(40173,57420) 40182,57420 40187,57425 40245.78,57425 40252.78,57432 40738,57432 v1(40760,57410) ; v1@40759,43313 40760,43314 40760,43332 40784,43356 42818.22,43356 42825.22,43363 42884,43363 42889,43368 v1(42898,43368) ; v1@40759,49218 40760,49219 40760,49237 40784,49261 42818.22,49261 42825.22,49268 42884,49268 42889,49273 v1(42898,49273) ; v1@40759,56698 40760,56699 40760,56717 40784,56741 42818.22,56741 42825.22,56748 42884,56748 42889,56753 v1(42898,56753)
  other v1: 40760,43311 40760,49216 40760,56696
I2C_DATA: R41_A.1 R41_B.1 R41_C.1 R41_D.1 R41_E.1 R41_F.1 R41_G.1 R41_H.1 | length 30064.8
  Top Layer w8: R41_D.1@39965.48,45332 39965.48,45339.67 40148.33,45339.67 v1(40173,45315) ; R41_C.1@39965.48,52812 39965.48,52819.67 40148.33,52819.67 v1(40173,52795) ; R41_B.1@39965.48,57537 39965.48,57544.67 40148.33,57544.67 v1(40173,57520) ; R41_E.1@40857,40178.48 40864.67,40178.48 40864.67,40361.33 v1(40840,40386) 40840,40395 40845,40400 40845,40458.78 40852,40465.78 40852,60321.22 40845,60328.22 40845,60387 40840,60392 v1(40840,60401) 40864.67,60425.67 40864.67,60608.52 R41_A.1@40857,60608.52 ; v1(42898,43268) 42922.67,43243.33 43105.52,43243.33 R41_F.1@43105.52,43251 ; v1(42898,49173) 42922.67,49148.33 43105.52,49148.33 R41_G.1@43105.52,49156 ; v1(42898,56653) 42922.67,56628.33 43105.52,56628.33 R41_H.1@43105.52,56636
  Bottom Layer w8: v1(40173,45315) 40182,45315 40187,45320 40245.78,45320 40252.78,45327 40838,45327 v1(40860,45305) ; v1(40173,52795) 40182,52795 40187,52800 40245.78,52800 40252.78,52807 40838,52807 v1(40860,52785) ; v1(40173,57520) 40182,57520 40187,57525 40245.78,57525 40252.78,57532 40838,57532 v1(40860,57510) ; v1@40861,43250 40867,43256 42818.22,43256 42825.22,43263 42884,43263 42889,43268 v1(42898,43268) ; v1@40861,49155 40867,49161 42818.22,49161 42825.22,49168 42884,49168 42889,49173 v1(42898,49173) ; v1@40861,56635 40867,56641 42818.22,56641 42825.22,56648 42884,56648 42889,56653 v1(42898,56653)
  other v1: 40860,43251 40860,49156 40860,56636
MISO: R47_A.1 R47_B.1 R47_C.1 R47_D.1 R47_E.1 R47_F.1 R47_G.1 R47_H.1 | length 30235.3
  Top Layer w8: R47_D.1@39965.48,45032 39965.48,45039.67 40148.33,45039.67 v1(40173,45015) ; R47_C.1@39965.48,52512 39965.48,52519.67 40148.33,52519.67 v1(40173,52495) ; R47_B.1@39965.48,57237 39965.48,57244.67 40148.33,57244.67 v1(40173,57220) ; R47_E.1@40557,40178.48 40564.67,40178.48 40564.67,40361.33 v1(40540,40386) 40540,40395 40545,40400 40545,40458.78 40552,40465.78 v1@40552,43431 ; R47_A.1@40557,60608.52 40564.67,60608.52 40564.67,60425.67 v1(40540,60401) 40540,60392 40545,60387 40545,60328.22 40552,60321.22 v1@40552,56816 ; v1(40560,43431) v1@40552,43431 ; v1(40560,49336) v1@40552,49336 ; v1(40560,56816) v1@40552,56816 ; v1(42898,43568) 42922.67,43543.33 43105.52,43543.33 R47_F.1@43105.52,43551 ; v1(42898,49473) 42922.67,49448.33 43105.52,49448.33 R47_G.1@43105.52,49456 ; v1(42898,56953) 42922.67,56928.33 43105.52,56928.33 R47_H.1@43105.52,56936 ; v1@40552,43431 v1@40552,49336 ; v1@40552,49336 v1@40552,56816
  Bottom Layer w8: v1(40173,45015) 40182,45015 40198,45031 40269.92,45031 40285.92,45047 v1@40553,45047 ; v1(40173,52495) 40182,52495 40198,52511 40269.92,52511 40285.92,52527 v1@40553,52527 ; v1(40173,57220) 40182,57220 40198,57236 40269.92,57236 40285.92,57252 v1@40553,57252 ; v1(40560,43431) 40560,43441.84 40674.16,43556 42818.22,43556 42825.22,43563 42884,43563 42889,43568 v1(42898,43568) ; v1(40560,49336) 40560,49346.84 40674.16,49461 42818.22,49461 42825.22,49468 42884,49468 42889,49473 v1(42898,49473) ; v1(40560,56816) 40560,56826.84 40674.16,56941 42818.22,56941 42825.22,56948 42884,56948 42889,56953 v1(42898,56953)
  other v1: 40560,45039 40560,52519 40560,57244
MOSI: R49_A.1 R49_B.1 R49_C.1 R49_D.1 R49_E.1 R49_F.1 R49_G.1 R49_H.1 | length 30346.3
  Top Layer w8: R49_D.1@39965.48,44932 39965.48,44939.34 40145.09,44939.34 40169.43,44915 v1(40173,44915) ; R49_C.1@39965.48,52412 39965.48,52419.34 40145.09,52419.34 40169.43,52395 v1(40173,52395) ; R49_B.1@39965.48,57137 39965.48,57144.34 40145.09,57144.34 40169.43,57120 v1(40173,57120) ; v1(40448,44959) v1@40456,44959 ; v1(40448,52439) v1@40456,52439 ; v1@40456,56846 v1@40456,52439 ; 40456,56856 40456,57124.06 40456,57143.94 40456,57156 v1(40448,57164) 40456,57172 40456,60317.22 40445,60328.22 40445,60387 40440,60392 v1(40440,60401) 40440,60404.57 40464.34,60428.91 40464.34,60608.52 R49_A.1@40457,60608.52 ; R49_E.1@40457,40178.48 40464.34,40178.48 40464.34,40358.09 40440,40382.43 v1(40440,40386) 40440,40395 40445,40400 40445,40458.78 40456,40469.78 v1@40456,44959 ; v1(42898,43668) 42901.57,43668 42925.91,43643.66 43105.52,43643.66 R49_F.1@43105.52,43651 ; v1(42898,49573) 42901.57,49573 42925.91,49548.66 43105.52,49548.66 R49_G.1@43105.52,49556 ; v1(42898,57053) 42901.57,57053 42925.91,57028.66 43105.52,57028.66 R49_H.1@43105.52,57036 ; v1@40456,44959 v1@40456,52439
  Bottom Layer w8: v1(40173,44915) 40182,44915 40196,44929 40255.94,44929 40277.94,44951 40324.18,44951 40338.18,44965 40442,44965 v1(40448,44959) ; v1(40173,52395) 40182,52395 40196,52409 40255.94,52409 40277.94,52431 40324.18,52431 40338.18,52445 40442,52445 v1(40448,52439) ; v1(40173,57120) 40182,57120 40196,57134 40255.94,57134 40277.94,57156 40324.18,57156 40338.18,57170 40442,57170 v1(40448,57164) ; v1@40445.7,43463.3 40638.39,43656 42818.22,43656 42825.22,43663 42884,43663 42889,43668 v1(42898,43668) ; v1@40445.7,49368.3 40638.39,49561 42818.22,49561 42825.22,49568 42884,49568 42889,49573 v1(42898,49573) ; v1@40445.7,56848.3 40638.39,57041 42818.22,57041 42825.22,57048 42884,57048 42889,57053 v1(42898,57053)
  other v1: 40448,43461 40448,49366 40448,56846
NetH1_A_1: H1_A.1 R1_A.2 | length 427
  Top Layer w8: H1_A.1@42837,61073.52 42879.53,61030.99 42879.53,60755.9 42857,60733.38 R1_A.2@42857,60673.48
NetH1_A_3: H1_A.3 R3_A.2 | length 427
  Top Layer w8: H1_A.3@42737,61073.52 42779.53,61030.99 42779.53,60755.9 42757,60733.38 R3_A.2@42757,60673.48
NetH1_A_4: H1_A.4 R4_A.1 | length 486.9
  Top Layer w8: R4_A.1@42732,60521.81 v1(42732,60565)
  Bottom Layer w8: v1(42732,60565) 42732,60719 42695,60756 42695,60901 42737,60943 H1_A.4@42737,60976
NetH1_A_5: H1_A.5 R5_A.2 | length 427
  Top Layer w8: H1_A.5@42637,61073.52 42679.53,61030.99 42679.53,60755.9 42657,60733.38 R5_A.2@42657,60673.48
NetH1_A_6: H1_A.6 R6_A.1 | length 486.9
  Top Layer w8: R6_A.1@42632,60521.81 v1(42632,60565)
  Bottom Layer w8: v1(42632,60565) 42632,60719 42595,60756 42595,60901 42637,60943 H1_A.6@42637,60976
NetH1_A_7: H1_A.7 R7_A.2 | length 427
  Top Layer w8: H1_A.7@42537,61073.52 42579.53,61030.99 42579.53,60755.9 42557,60733.38 R7_A.2@42557,60673.48
NetH1_A_8: H1_A.8 R8_A.1 | length 486.9
  Top Layer w8: R8_A.1@42532,60521.81 v1(42532,60565)
  Bottom Layer w8: v1(42532,60565) 42532,60719 42495,60756 42495,60901 42537,60943 H1_A.8@42537,60976
NetH1_A_9: H1_A.9 R9_A.2 | length 427
  Top Layer w8: H1_A.9@42437,61073.52 42479.53,61030.99 42479.53,60755.9 42457,60733.38 R9_A.2@42457,60673.48
NetH1_A_10: H1_A.10 R10_A.1 | length 486.9
  Top Layer w8: R10_A.1@42432,60521.81 v1(42432,60565)
  Bottom Layer w8: v1(42432,60565) 42432,60719 42395,60756 42395,60901 42437,60943 H1_A.10@42437,60976
NetH1_A_11: H1_A.11 R11_A.2 | length 427
  Top Layer w8: H1_A.11@42337,61073.52 42379.53,61030.99 42379.53,60755.9 42357,60733.38 R11_A.2@42357,60673.48
NetH1_A_12: H1_A.12 R12_A.1 | length 486.9
  Top Layer w8: R12_A.1@42332,60521.81 v1(42332,60565)
  Bottom Layer w8: v1(42332,60565) 42332,60719 42295,60756 42295,60901 42337,60943 H1_A.12@42337,60976
NetH1_A_13: H1_A.13 R13_A.2 | length 427
  Top Layer w8: H1_A.13@42237,61073.52 42279.53,61030.99 42279.53,60755.9 42257,60733.38 R13_A.2@42257,60673.48
NetH1_A_14: H1_A.14 R14_A.1 | length 486.9
  Top Layer w8: R14_A.1@42232,60521.81 v1(42232,60565)
  Bottom Layer w8: v1(42232,60565) 42232,60719 42195,60756 42195,60901 42237,60943 H1_A.14@42237,60976
NetH1_A_20: H1_A.20 R20_A.1 | length 486.9
  Top Layer w8: R20_A.1@41932,60521.81 v1(41932,60565)
  Bottom Layer w8: v1(41932,60565) 41932,60719 41895,60756 41895,60901 41937,60943 H1_A.20@41937,60976
NetH1_A_22: H1_A.22 R22_A.1 | length 486.9
  Top Layer w8: R22_A.1@41832,60521.81 v1(41832,60565)
  Bottom Layer w8: v1(41832,60565) 41832,60719 41795,60756 41795,60901 41837,60943 H1_A.22@41837,60976
NetH1_A_30: H1_A.30 R30_A.1 | length 486.9
  Top Layer w8: R30_A.1@41432,60521.81 v1(41432,60565)
  Bottom Layer w8: v1(41432,60565) 41432,60719 41395,60756 41395,60901 41437,60943 H1_A.30@41437,60976
NetH1_A_33: H1_A.33 R33_A.2 | length 426.2
  Top Layer w8: H1_A.33@41237,61073.52 41278.53,61031.99 41278.53,60754.9 41257,60733.38 R33_A.2@41257,60673.48
NetH1_A_35: H1_A.35 R35_A.1 | length 427
  Top Layer w8: H1_A.35@41137,61073.52 41179.53,61030.99 41179.53,60755.9 41157,60733.38 R35_A.1@41157,60673.48
NetH1_A_37: H1_A.37 R37_A.2 | length 427
  Top Layer w8: H1_A.37@41037,61073.52 41079.53,61030.99 41079.53,60755.9 41057,60733.38 R37_A.2@41057,60673.48
NetH1_A_39: H1_A.39 R39_A.2 | length 427
  Top Layer w8: H1_A.39@40937,61073.52 40979.53,61030.99 40979.53,60755.9 40957,60733.38 R39_A.2@40957,60673.48
NetH1_A_41: H1_A.41 R41_A.2 | length 427
  Top Layer w8: H1_A.41@40837,61073.52 40879.53,61030.99 40879.53,60755.9 40857,60733.38 R41_A.2@40857,60673.48
NetH1_A_43: H1_A.43 R43_A.2 | length 427
  Top Layer w8: H1_A.43@40737,61073.52 40779.53,61030.99 40779.53,60755.9 40757,60733.38 R43_A.2@40757,60673.48
NetH1_A_45: H1_A.45 J45_A.1 R45_A.2 | length 756.2
  Top Layer w8: H1_A.45@40637,61071 H1_A.45@40638.26,61072.26 ; H1_A.45@40637,61073.52 H1_A.45@40638.26,61072.26 ; R45_A.2@40657,60673.48 40657,60733.38 40679.53,60755.9 40679.53,61030.99 H1_A.45@40638.26,61072.26 ; J45_A.1@40906.31,61206.52 40812.79,61113 40758.73,61113 40754.2,61117.53 40719.8,61117.53 40714.8,61112.53 40678.53,61112.53 H1_A.45@40638.26,61072.26
NetH1_A_47: H1_A.47 pad.10 R47_A.2 | length 975.1
  Top Layer w8: H1_A.47@40537,61073.52 40579.53,61030.99 40579.53,60755.9 40557,60733.38 R47_A.2@40557,60673.48
  Bottom Layer w8: pad.10@40150,61175 40570.94,61175 40586,61159.94 40586,61140.06 40571.94,61126 40569.06,61126 40563.47,61120.41 40563.47,61110.47 40537,61084 H1_A.47@40537,61076
NetH1_A_49: H1_A.49 pad.9 R49_A.2 | length 737.6
  Top Layer w8: H1_A.49@40437,61073.52 40437,61068.57 40478.53,61027.05 40478.53,60695.01 R49_A.2@40457,60673.48
  Bottom Layer w8: pad.9@40150,61100 40275,61100 40292.53,61117.53 40395.47,61117.53 H1_A.49@40437,61076
NetH1_A_51: H1_A.51 pad.8 R51_A.2 | length 635.1
  Top Layer w8: H1_A.51@40337,61073.52 40337,61068.57 40379.53,61026.05 40379.53,60696.01 R51_A.2@40357,60673.48
  Bottom Layer w8: pad.8@40150,61025 40286,61025 H1_A.51@40337,61076
NetH1_A_101: H1_A.101 R101_A.1 | length 392.4
  Top Layer w8: R101_A.1@40431.67,60526.81 R101_A.1@40431.67,60536.81 ; R101_A.1@40432,60513.48 40432,60551
  Bottom Layer w8: v1(40432,60565) 40432,60705 40478.53,60751.53 40478.53,60793.2 ; H1_A.101@40437,60873.52 40437,60846 40478.47,60804.53 40478.47,60793.26
NetH1_A_102: H1_A.102 R102_A.2 | length 261.7
  Top Layer w8: R102_A.2@40376.67,60536.81 40377,60537.14 40377,60562 40412,60597 40412,60748.52 H1_A.102@40437,60773.52
NetH1_A_103: H1_A.103 R103_A.2 | length 382.9
  Top Layer w8: R103_A.2@40306.67,60536.81 v1@40306.67,60554.33 ; R103_A.2@40307,60531 R103_A.2@40307,60541
  Bottom Layer w8: v1(40307,60565) 40307,60678 40378.53,60749.53 40378.53,60793.2 40378.47,60793.26 40378.47,60804.53 40337,60846 H1_A.103@40337,60873.52
NetH1_A_104: H1_A.104 R104_A.1 | length 272.7
  Top Layer w8: R104_A.1@40252,60536 40252,60543.94 40297.06,60589 40297.06,60733.58 H1_A.104@40337,60773.52
NetH1_B_1: H1_B.1 R1_B.2 | length 427
  Top Layer w8: H1_B.1@39500.48,59517 39543.01,59559.53 39818.1,59559.53 39840.62,59537 R1_B.2@39900.52,59537
NetH1_B_3: H1_B.3 R3_B.2 | length 427
  Top Layer w8: H1_B.3@39500.48,59417 39543.01,59459.53 39818.1,59459.53 39840.62,59437 R3_B.2@39900.52,59437
NetH1_B_4: H1_B.4 R4_B.1 | length 486.9
  Top Layer w8: v1(40009,59412) R4_B.1@40052.19,59412
  Bottom Layer w8: H1_B.4@39598,59417 39631,59417 39673,59375 39818,59375 39855,59412 v1(40009,59412)
NetH1_B_5: H1_B.5 R5_B.2 | length 427
  Top Layer w8: H1_B.5@39500.48,59317 39543.01,59359.53 39818.1,59359.53 39840.62,59337 R5_B.2@39900.52,59337
NetH1_B_6: H1_B.6 R6_B.1 | length 486.9
  Top Layer w8: v1(40009,59312) R6_B.1@40052.19,59312
  Bottom Layer w8: H1_B.6@39598,59317 39631,59317 39673,59275 39818,59275 39855,59312 v1(40009,59312)
NetH1_B_7: H1_B.7 R7_B.2 | length 427
  Top Layer w8: H1_B.7@39500.48,59217 39543.01,59259.53 39818.1,59259.53 39840.62,59237 R7_B.2@39900.52,59237
NetH1_B_8: H1_B.8 R8_B.1 | length 486.9
  Top Layer w8: v1(40009,59212) R8_B.1@40052.19,59212
  Bottom Layer w8: H1_B.8@39598,59217 39631,59217 39673,59175 39818,59175 39855,59212 v1(40009,59212)
NetH1_B_9: H1_B.9 R9_B.2 | length 427
  Top Layer w8: H1_B.9@39500.48,59117 39543.01,59159.53 39818.1,59159.53 39840.62,59137 R9_B.2@39900.52,59137
NetH1_B_10: H1_B.10 R10_B.1 | length 486.9
  Top Layer w8: v1(40009,59112) R10_B.1@40052.19,59112
  Bottom Layer w8: H1_B.10@39598,59117 39631,59117 39673,59075 39818,59075 39855,59112 v1(40009,59112)
NetH1_B_11: H1_B.11 R11_B.2 | length 427
  Top Layer w8: H1_B.11@39500.48,59017 39543.01,59059.53 39818.1,59059.53 39840.62,59037 R11_B.2@39900.52,59037
NetH1_B_12: H1_B.12 R12_B.1 | length 486.9
  Top Layer w8: v1(40009,59012) R12_B.1@40052.19,59012
  Bottom Layer w8: H1_B.12@39598,59017 39631,59017 39673,58975 39818,58975 39855,59012 v1(40009,59012)
NetH1_B_13: H1_B.13 R13_B.2 | length 427
  Top Layer w8: H1_B.13@39500.48,58917 39543.01,58959.53 39818.1,58959.53 39840.62,58937 R13_B.2@39900.52,58937
NetH1_B_14: H1_B.14 R14_B.1 | length 486.9
  Top Layer w8: v1(40009,58912) R14_B.1@40052.19,58912
  Bottom Layer w8: H1_B.14@39598,58917 39631,58917 39673,58875 39818,58875 39855,58912 v1(40009,58912)
NetH1_B_20: H1_B.20 R20_B.1 | length 486.9
  Top Layer w8: v1(40009,58612) R20_B.1@40052.19,58612
  Bottom Layer w8: H1_B.20@39598,58617 39631,58617 39673,58575 39818,58575 39855,58612 v1(40009,58612)
NetH1_B_22: H1_B.22 R22_B.1 | length 486.9
  Top Layer w8: v1(40009,58512) R22_B.1@40052.19,58512
  Bottom Layer w8: H1_B.22@39598,58517 39631,58517 39673,58475 39818,58475 39855,58512 v1(40009,58512)
NetH1_B_30: H1_B.30 R30_B.1 | length 486.9
  Top Layer w8: v1(40009,58112) R30_B.1@40052.19,58112
  Bottom Layer w8: H1_B.30@39598,58117 39631,58117 39673,58075 39818,58075 39855,58112 v1(40009,58112)
NetH1_B_33: H1_B.33 R33_B.2 | length 426.2
  Top Layer w8: H1_B.33@39500.48,57917 39542.01,57958.53 39819.1,57958.53 39840.62,57937 R33_B.2@39900.52,57937
NetH1_B_35: H1_B.35 R35_B.1 | length 427
  Top Layer w8: H1_B.35@39500.48,57817 39543.01,57859.53 39818.1,57859.53 39840.62,57837 R35_B.1@39900.52,57837
NetH1_B_37: H1_B.37 R37_B.2 | length 427
  Top Layer w8: H1_B.37@39500.48,57717 39543.01,57759.53 39818.1,57759.53 39840.62,57737 R37_B.2@39900.52,57737
NetH1_B_39: H1_B.39 R39_B.2 | length 427
  Top Layer w8: H1_B.39@39500.48,57617 39543.01,57659.53 39818.1,57659.53 39840.62,57637 R39_B.2@39900.52,57637
NetH1_B_41: H1_B.41 R41_B.2 | length 427
  Top Layer w8: H1_B.41@39500.48,57517 39543.01,57559.53 39818.1,57559.53 39840.62,57537 R41_B.2@39900.52,57537
NetH1_B_43: H1_B.43 R43_B.2 | length 427
  Top Layer w8: H1_B.43@39500.48,57417 39543.01,57459.53 39818.1,57459.53 39840.62,57437 R43_B.2@39900.52,57437
NetH1_B_45: H1_B.45 J45_B.1 R45_B.2 | length 754.9
  Top Layer w8: J45_B.1@39362.48,57586.31 39456.47,57492.32 39456.47,57358.53 H1_B.45@39498,57317 39500.48,57317 39543.01,57359.53 39818.1,57359.53 39840.62,57337 R45_B.2@39900.52,57337
NetH1_B_47: H1_B.47 R47_B.2 | length 427
  Top Layer w8: H1_B.47@39500.48,57217 39543.01,57259.53 39818.1,57259.53 39840.62,57237 R47_B.2@39900.52,57237
NetH1_B_49: H1_B.49 R49_B.2 | length 427
  Top Layer w8: H1_B.49@39500.48,57117 39505.43,57117 39547.9,57159.47 39721.83,57159.47 39721.88,57159.53 39877.99,57159.53 R49_B.2@39900.52,57137
NetH1_B_51: H1_B.51 R51_B.2 | length 427
  Top Layer w8: H1_B.51@39500.48,57017 39505.43,57017 39547.95,57059.53 39877.99,57059.53 R51_B.2@39900.52,57037
NetH1_B_101: H1_B.101 R101_B.1 | length 392.4
  Top Layer w8: 40023,57112 R101_B.1@40060.52,57112 ; R101_B.1@40037.19,57111.67 R101_B.1@40047.19,57111.67
  Bottom Layer w8: H1_B.101@39700.48,57117 39728,57117 39769.47,57158.47 39780.74,57158.47 ; 39780.8,57158.53 39822.47,57158.53 39869,57112 v1(40009,57112)
NetH1_B_102: H1_B.102 R102_B.2 | length 261.7
  Top Layer w8: H1_B.102@39800.48,57117 39825.48,57092 39979,57092 40014,57057 40036.86,57057 R102_B.2@40037.19,57056.67
NetH1_B_103: H1_B.103 R103_B.2 | length 382.9
  Top Layer w8: v1@40019.67,56986.67 R103_B.2@40037.19,56986.67 ; R103_B.2@40033,56987 R103_B.2@40043,56987
  Bottom Layer w8: H1_B.103@39700.48,57017 39728,57017 39769.47,57058.47 39780.74,57058.47 39780.8,57058.53 39824.47,57058.53 39896,56987 v1(40009,56987)
NetH1_B_104: H1_B.104 R104_B.1 | length 272.7
  Top Layer w8: H1_B.104@39800.48,57017 39840.42,56977.06 39985,56977.06 40030.06,56932 R104_B.1@40038,56932
NetH1_C_1: H1_C.1 R1_C.2 | length 427
  Top Layer w8: H1_C.1@39500.48,54792 39543.01,54834.53 39818.1,54834.53 39840.62,54812 R1_C.2@39900.52,54812
NetH1_C_3: H1_C.3 R3_C.2 | length 427
  Top Layer w8: H1_C.3@39500.48,54692 39543.01,54734.53 39818.1,54734.53 39840.62,54712 R3_C.2@39900.52,54712
NetH1_C_4: H1_C.4 R4_C.1 | length 486.5
  Top Layer w8: v1(40009,54687) R4_C.1@40052.19,54687
  Bottom Layer w8: H1_C.4@39598,54692 39631,54692 39672.47,54650.53 39818.53,54650.53 39855,54687 v1(40009,54687)
NetH1_C_5: H1_C.5 R5_C.2 | length 427
  Top Layer w8: H1_C.5@39500.48,54592 39543.01,54634.53 39818.1,54634.53 39840.62,54612 R5_C.2@39900.52,54612
NetH1_C_6: H1_C.6 R6_C.1 | length 486.5
  Top Layer w8: v1(40009,54587) R6_C.1@40052.19,54587
  Bottom Layer w8: H1_C.6@39598,54592 39631,54592 39672.47,54550.53 39818.53,54550.53 39855,54587 v1(40009,54587)
NetH1_C_7: H1_C.7 R7_C.2 | length 427
  Top Layer w8: H1_C.7@39500.48,54492 39543.01,54534.53 39818.1,54534.53 39840.62,54512 R7_C.2@39900.52,54512
NetH1_C_8: H1_C.8 R8_C.1 | length 486.5
  Top Layer w8: v1(40009,54487) R8_C.1@40052.19,54487
  Bottom Layer w8: H1_C.8@39598,54492 39631,54492 39672.47,54450.53 39818.53,54450.53 39855,54487 v1(40009,54487)
NetH1_C_9: H1_C.9 R9_C.2 | length 427
  Top Layer w8: H1_C.9@39500.48,54392 39543.01,54434.53 39818.1,54434.53 39840.62,54412 R9_C.2@39900.52,54412
NetH1_C_10: H1_C.10 R10_C.1 | length 486.5
  Top Layer w8: v1(40009,54387) R10_C.1@40052.19,54387
  Bottom Layer w8: H1_C.10@39598,54392 39631,54392 39672.47,54350.53 39818.53,54350.53 39855,54387 v1(40009,54387)
NetH1_C_11: H1_C.11 R11_C.2 | length 427
  Top Layer w8: H1_C.11@39500.48,54292 39543.01,54334.53 39818.1,54334.53 39840.62,54312 R11_C.2@39900.52,54312
NetH1_C_12: H1_C.12 R12_C.1 | length 486.5
  Top Layer w8: v1(40009,54287) R12_C.1@40052.19,54287
  Bottom Layer w8: H1_C.12@39598,54292 39631,54292 39672.47,54250.53 39818.53,54250.53 39855,54287 v1(40009,54287)
NetH1_C_13: H1_C.13 R13_C.2 | length 427
  Top Layer w8: H1_C.13@39500.48,54192 39543.01,54234.53 39818.1,54234.53 39840.62,54212 R13_C.2@39900.52,54212
NetH1_C_14: H1_C.14 R14_C.1 | length 486.5
  Top Layer w8: v1(40009,54187) R14_C.1@40052.19,54187
  Bottom Layer w8: H1_C.14@39598,54192 39631,54192 39672.47,54150.53 39818.53,54150.53 39855,54187 v1(40009,54187)
NetH1_C_20: H1_C.20 R20_C.1 | length 486.5
  Top Layer w8: v1(40009,53887) R20_C.1@40052.19,53887
  Bottom Layer w8: H1_C.20@39598,53892 39631,53892 39672.47,53850.53 39818.53,53850.53 39855,53887 v1(40009,53887)
NetH1_C_22: H1_C.22 R22_C.1 | length 486.5
  Top Layer w8: v1(40009,53787) R22_C.1@40052.19,53787
  Bottom Layer w8: H1_C.22@39598,53792 39631,53792 39672.47,53750.53 39818.53,53750.53 39855,53787 v1(40009,53787)
NetH1_C_30: H1_C.30 R30_C.1 | length 486.5
  Top Layer w8: v1(40009,53387) R30_C.1@40052.19,53387
  Bottom Layer w8: H1_C.30@39598,53392 39631,53392 39672.47,53350.53 39818.53,53350.53 39855,53387 v1(40009,53387)
NetH1_C_33: H1_C.33 R33_C.2 | length 427
  Top Layer w8: H1_C.33@39500.48,53192 39543.01,53234.53 39818.1,53234.53 39840.62,53212 R33_C.2@39900.52,53212
NetH1_C_35: H1_C.35 R35_C.1 | length 427
  Top Layer w8: H1_C.35@39500.48,53092 39543.01,53134.53 39818.1,53134.53 39840.62,53112 R35_C.1@39900.52,53112
NetH1_C_37: H1_C.37 R37_C.2 | length 427
  Top Layer w8: H1_C.37@39500.48,52992 39543.01,53034.53 39818.1,53034.53 39840.62,53012 R37_C.2@39900.52,53012
NetH1_C_39: H1_C.39 R39_C.2 | length 427
  Top Layer w8: H1_C.39@39500.48,52892 39543.01,52934.53 39818.1,52934.53 39840.62,52912 R39_C.2@39900.52,52912
NetH1_C_41: H1_C.41 R41_C.2 | length 427
  Top Layer w8: H1_C.41@39500.48,52792 39543.01,52834.53 39818.1,52834.53 39840.62,52812 R41_C.2@39900.52,52812
NetH1_C_43: H1_C.43 R43_C.2 | length 427
  Top Layer w8: H1_C.43@39500.48,52692 39543.01,52734.53 39818.1,52734.53 39840.62,52712 R43_C.2@39900.52,52712